# Altium PCB HIVE_BOARD - 10x10.PcbDoc (part 3 of 4)
Units mm, origin at the board's own origin, x right, y up, seen from the top; angles counter-clockwise.
Board outline 100 x 100 mm, 8 copper layers (Top, GND_1, Signal_1, GND_2, PWR, Signal_2, GND_3, Bottom), stack 1.6 mm thick; 627 components, 452 nets, 2398 pads, 70 vias.
Unrouted connection lines stored in the file: 1823.
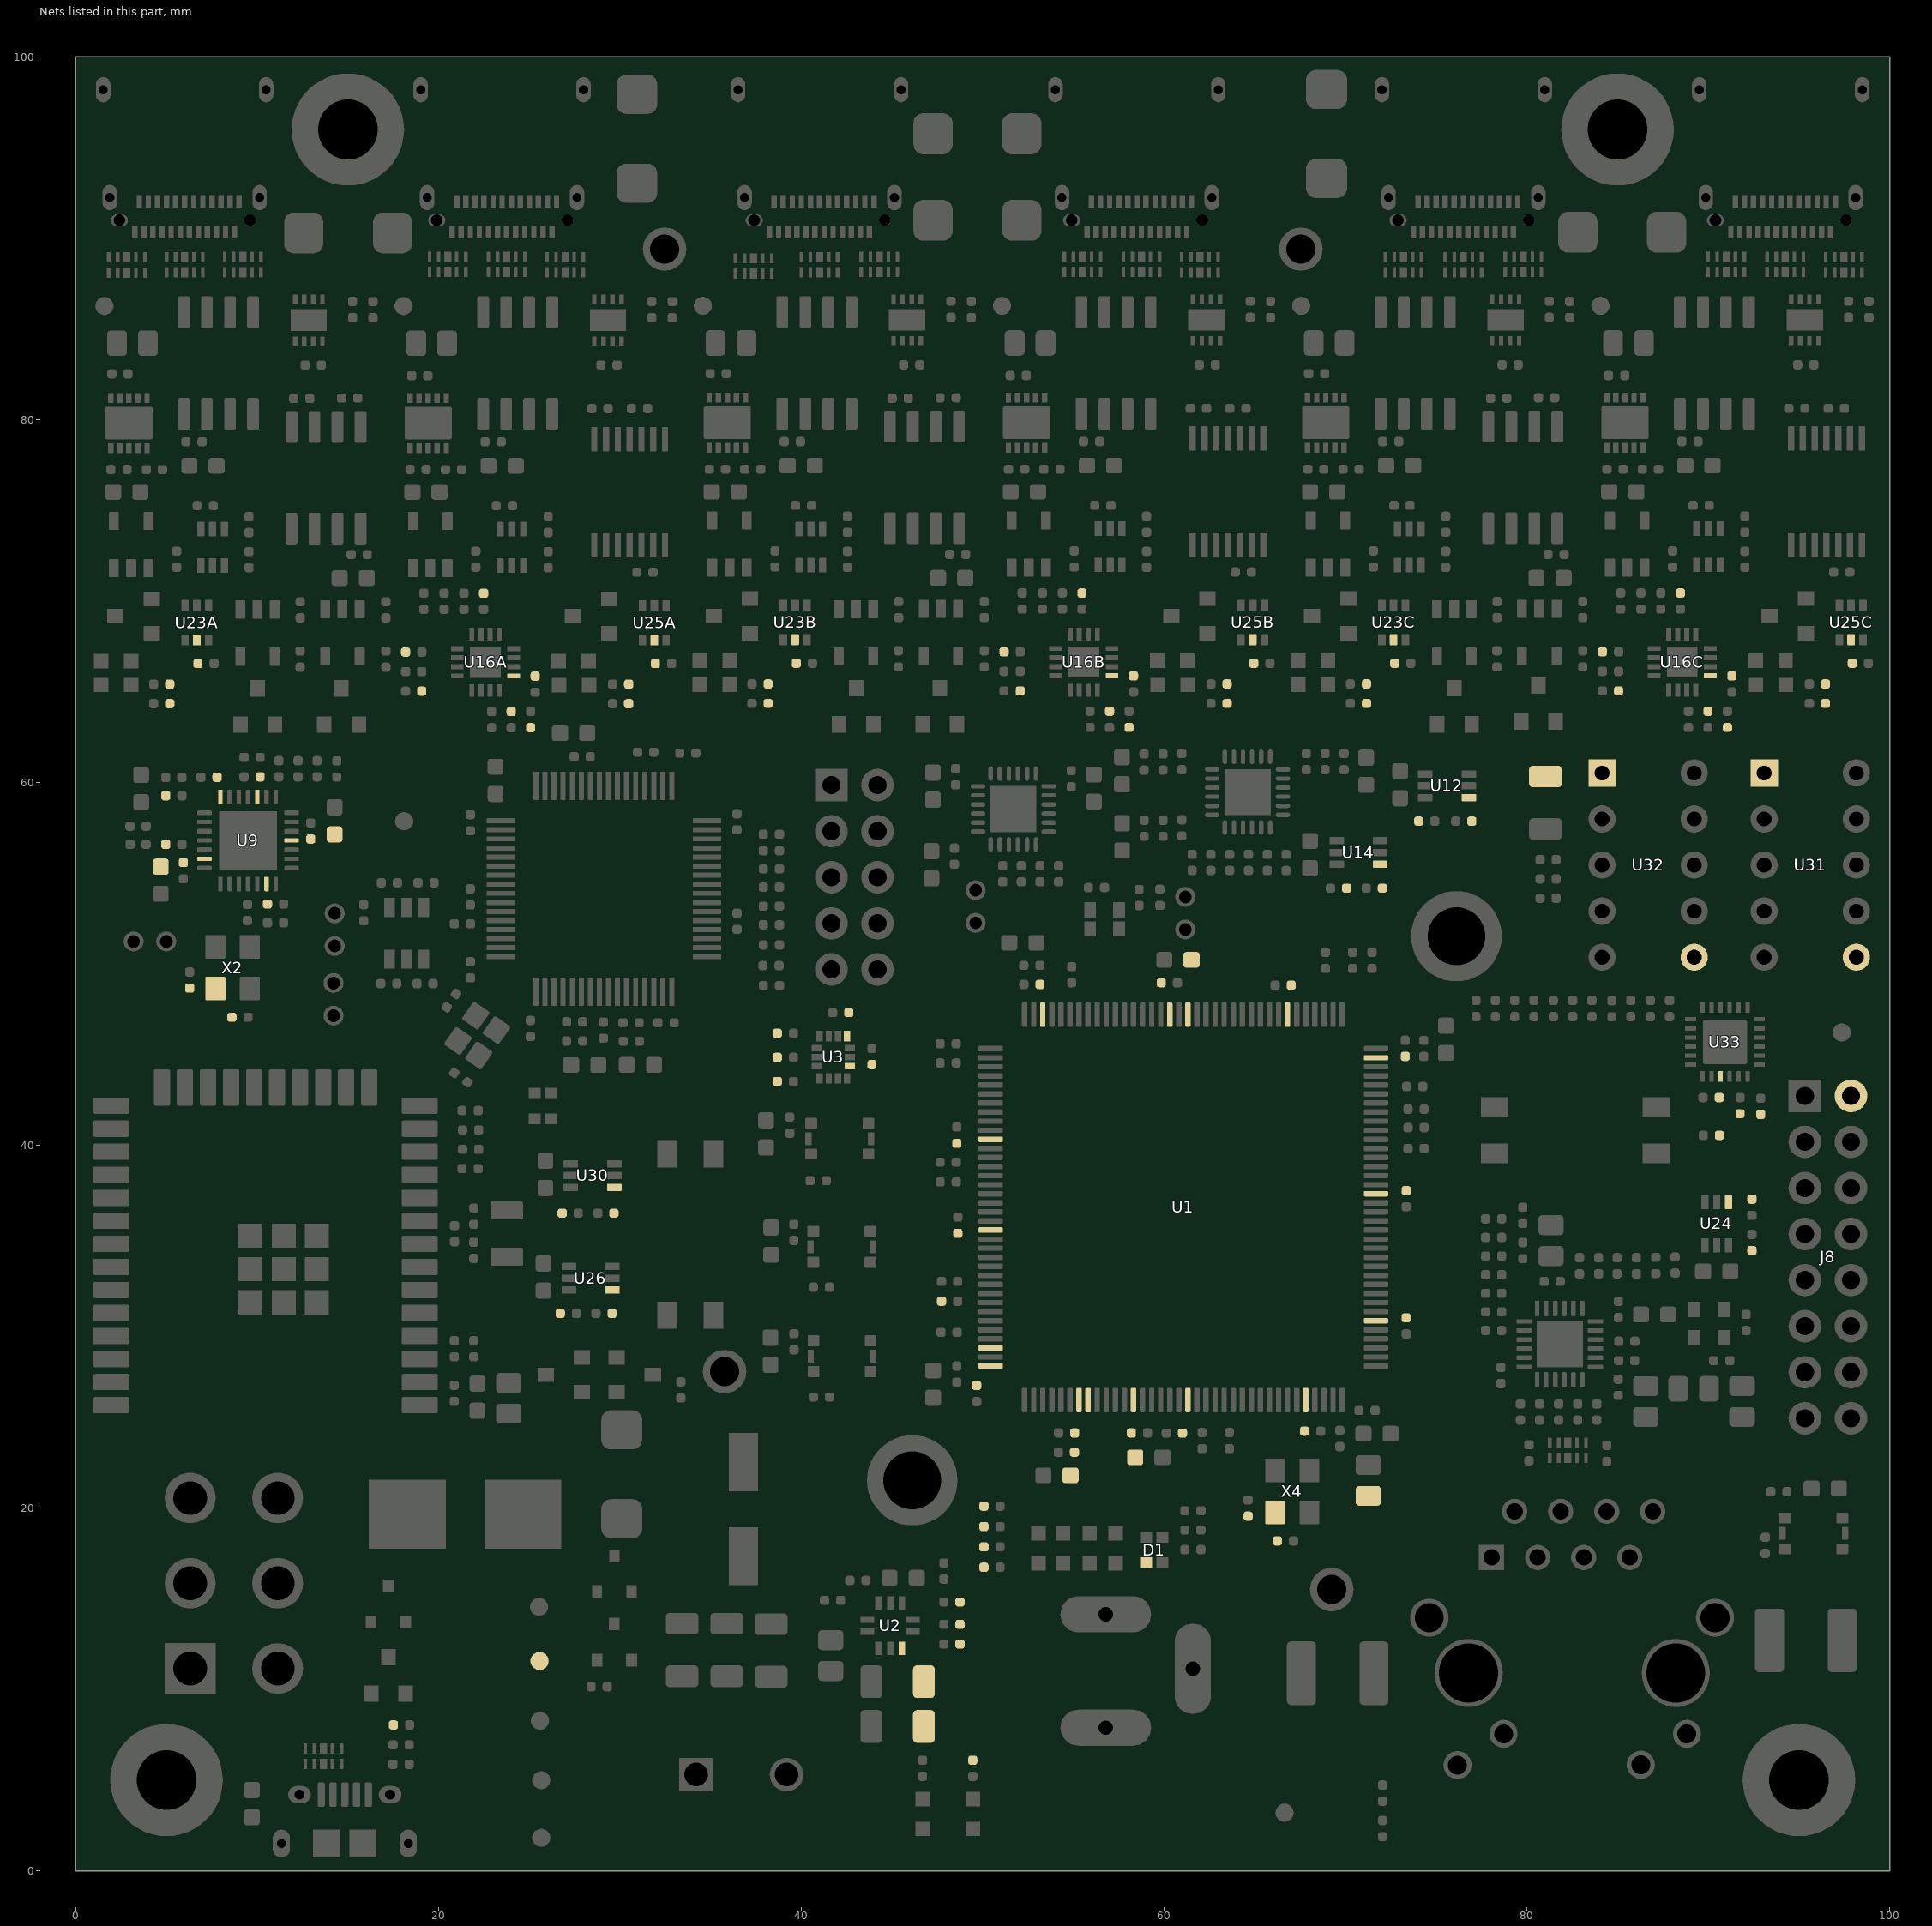
[diagram p7: the nets of this part, all layers, seen from the top]

## Footprints (in the part's own frame and the unit in brackets; to place one, negate y for a bottom-side part, rotate by r counter-clockwise, add the part's x,y. Pads: shape width x height; smd on the part's side, far side on the other; paste and mask are expansions set on the pad) (continued)
MCU_STM32H735ZGT6 [mm] "TSQFP, 144-Leads, Body 20,00x20,00mm"
  rrect50% 1.35x0.3 smd paste-0.025 mask+0.048: 1(-10.625,8.75) 2(-10.625,8.25) 3(-10.625,7.75) 4(-10.625,7.25) 5(-10.625,6.75) 6(-10.625,6.25) 7(-10.625,5.75) 8(-10.625,5.25) 9(-10.625,4.75) 10(-10.625,4.25) 11(-10.625,3.75) 12(-10.625,3.25) 13(-10.625,2.75) 14(-10.625,2.25) 15(-10.625,1.75) 16(-10.625,1.25) 17(-10.625,0.75) 18(-10.625,0.25) 19(-10.625,-0.25) 21(-10.625,-1.25) 22(-10.625,-1.75) 23(-10.625,-2.25) 25(-10.625,-3.25) 26(-10.625,-3.75) 27(-10.625,-4.25) 28(-10.625,-4.75) 29(-10.625,-5.25) 30(-10.625,-5.75) 31(-10.625,-6.25) 32(-10.625,-6.75) 33(-10.625,-7.25) 34(-10.625,-7.75) 35(-10.625,-8.25) 36(-10.625,-8.75) 73(10.625,-8.75) 74(10.625,-8.25) 76(10.625,-7.25) 77(10.625,-6.75) 78(10.625,-6.25) 79(10.625,-5.75) 80(10.625,-5.25) 81(10.625,-4.75) 82(10.625,-4.25) 83(10.625,-3.75) 84(10.625,-3.25) 85(10.625,-2.75) 86(10.625,-2.25) 87(10.625,-1.75) 88(10.625,-1.25) 89(10.625,-0.75) 90(10.625,-0.25) 91(10.625,0.25) 92(10.625,0.75) 93(10.625,1.25) 94(10.625,1.75) 95(10.625,2.25) 96(10.625,2.75) 97(10.625,3.25) 98(10.625,3.75) 99(10.625,4.25) 100(10.625,4.75) 101(10.625,5.25) 102(10.625,5.75) 103(10.625,6.25) 104(10.625,6.75) 105(10.625,7.25) 106(10.625,7.75) 107(10.625,8.25) 108(10.625,8.75)
  rrect50% 1.35x0.3 smd: 20(-10.625,-0.75) 24(-10.625,-2.75) 75(10.625,-7.75)
  rrect50% 0.3x1.35 smd: 37(-8.75,-10.625) 39(-7.75,-10.625) 40(-7.25,-10.625) 41(-6.75,-10.625) 43(-5.75,-10.625) 44(-5.25,-10.625) 45(-4.75,-10.625) 47(-3.75,-10.625) 48(-3.25,-10.625) 49(-2.75,-10.625) 50(-2.25,-10.625) 51(-1.75,-10.625) 52(-1.25,-10.625) 53(-0.75,-10.625) 54(-0.25,-10.625) 55(0.25,-10.625) 56(0.75,-10.625) 57(1.25,-10.625) 58(1.75,-10.625) 59(2.25,-10.625) 60(2.75,-10.625) 61(3.25,-10.625) 62(3.75,-10.625) 66(5.75,-10.625) 123(1.75,10.625) 124(1.25,10.625) 126(0.25,10.625) 127(-0.25,10.625) 128(-0.75,10.625) 129(-1.25,10.625) 130(-1.75,10.625) 131(-2.25,10.625) 132(-2.75,10.625) 133(-3.25,10.625) 134(-3.75,10.625) 135(-4.25,10.625) 136(-4.75,10.625) 137(-5.25,10.625) 138(-5.75,10.625) 140(-6.75,10.625) 141(-7.25,10.625) 142(-7.75,10.625) 144(-8.75,10.625)
  rrect50% 0.3x1.35 smd paste-0.025 mask+0.048: 38(-8.25,-10.625) 42(-6.25,-10.625) 46(-4.25,-10.625) 63(4.25,-10.625) 64(4.75,-10.625) 65(5.25,-10.625) 67(6.25,-10.625) 68(6.75,-10.625) 69(7.25,-10.625) 70(7.75,-10.625) 71(8.25,-10.625) 72(8.75,-10.625) 109(8.75,10.625) 110(8.25,10.625) 111(7.75,10.625) 112(7.25,10.625) 113(6.75,10.625) 114(6.25,10.625) 115(5.75,10.625) 116(5.25,10.625) 117(4.75,10.625) 118(4.25,10.625) 119(3.75,10.625) 120(3.25,10.625) 121(2.75,10.625) 122(2.25,10.625) 125(0.75,10.625) 139(-6.25,10.625) 143(-8.25,10.625)
  silkscreen extent -10.85,-9.6 9.6,9.6, body extent -11,-11 11,11, height 1.6
MEM_EEPROM_93LC46AT-E/OT [mm] "SOT23-6 for EEPROM"
  rect 1.05x0.6 smd: 1(-1.425,0.95) 2(-1.425,0) 3(-1.425,-0.95) 4(1.425,-0.95) 5(1.425,0) 6(1.425,0.95)
  silkscreen extent -1.55,-1.55 0.5,1.92, body extent -1.6,-1.55 1.6,1.55, height 1.45
MTH_M3#1 [mm] "Mounting Hole Metric M3"
  round 6.2 hole 3.3 paste-7.62 mask+0.07: 1(0,0)
MTH_M3#2 [mm] "Mounting Hole Metric M3"
  round 6.2 hole 3.3: 1(0,0)
OSC_CRY_ASDM1-25.000MHZ-LC-T [mm] "4-SMD, No Lead"
  rect 0.65x0.85 smd: 1(-0.825,-0.775) 2(0.825,-0.775) 3(0.825,0.775) 4(-0.825,0.775)
  silkscreen extent -1.25,-1.58 1.25,1, body extent -1.25,-1 1.25,1, height 0.85
"OSC_O 24,0-JO32-B-1V3-1-T1-LF"#1 [mm] "4-SMD, No Lead"
  rrect10% 1.3x1.1 smd: 1(-1.15,-0.95) 2(1.15,-0.95) 3(1.15,0.95) 4(-1.15,0.95)
  silkscreen extent -1.89,-1.95 1.73,1.37, body extent -1.6,-1.24 1.6,1.24, height 1.05
"OSC_O 24,0-JO32-B-1V3-1-T1-LF"#2 [mm] "4-SMD, No Lead"
  rrect10% 1.3x1.1 smd paste-0.05 mask+0.05: 1(-1.15,-0.95) 2(1.15,-0.95) 3(1.15,0.95) 4(-1.15,0.95)
  silkscreen extent -1.89,-1.95 1.73,1.37, body extent -1.6,-1.24 1.6,1.24, height 1.05
"OSC_O 38,40-JT21G-E-M-3,3-LF" [mm]
  rrect10% 0.85x0.65 smd: 1(-0.525,0.8) 2(-0.525,-0.8) 3(0.525,-0.8) 4(0.525,0.8)
  silkscreen extent -1.09,-0.3 0.85,0.34, body extent -0.8,-1 0.8,1, height 0.7
POW_MIC94072YC6-TR [mm] "SOT23, 6-Leads, Body 2.00x2.10mm, Pitch 0.65mm, IPC Medium Density"
  rrect20% 0.8x0.4 smd paste-0.025 mask+0.07: 1(-1.2,0.65) 2(-1.2,0) 3(-1.2,-0.65) 4(1.2,-0.65) 5(1.2,0) 6(1.2,0.65)
  silkscreen extent -1.48,-1.17 0.3,1.36, body extent -1.3,-1.1 1.3,1.1, height 1.1
POW_NIS6150MT1TXG#1 [mm] "SON, 10-Leads, Body 3.00x3.00mm, Pitch 0.50mm, Thermal Pad 2.00x1.20mm, IPC Medium Density"
  rrect20% 0.54x0.3 smd: 1(-1.385,1) 2(-1.385,0.5) 3(-1.385,0) 4(-1.385,-0.5) 5(-1.385,-1) 6(1.385,-1) 7(1.385,-0.5) 8(1.385,0) 9(1.385,0.5) 10(1.385,1)
  rrect10% 1.8x2.6 smd: 11(0,0)
  silkscreen extent -1.9,-1.64 1.63,1.64, body extent -1.55,-1.55 1.55,1.55, height 0.8
POW_NIS6150MT1TXG#2 [mm] "SON, 10-Leads, Body 3.00x3.00mm, Pitch 0.50mm, Thermal Pad 2.00x1.20mm, IPC Medium Density"
  rrect20% 0.54x0.3 smd paste-0.025 mask+0.048: 1(-1.385,1) 2(-1.385,0.5) 3(-1.385,0) 4(-1.385,-0.5) 5(-1.385,-1) 6(1.385,-1) 7(1.385,-0.5) 8(1.385,0) 9(1.385,0.5) 10(1.385,1)
  rrect10% 1.8x2.6 smd paste-2 mask+0.05: 11(0,0)
  silkscreen extent -1.9,-1.64 1.63,1.64, body extent -1.55,-1.55 1.55,1.55, height 0.8
REG_SWR_RPL-3.0-CT [mm]
  rect 0.75x0.35 smd: 1(-1.25,0.325) 2(-1.25,-0.325) 6(1.25,-0.325) 7(1.25,0.325)
  rect 0.35x0.75 smd: 3(-0.65,-1.25) 4(0,-1.25) 5(0.65,-1.25) 8(0.65,1.25) 9(0,1.25) 10(-0.65,1.25)
  silkscreen extent -1.94,-1.62 1.63,1.63, body extent -1.55,-1.55 1.55,1.55, height 1.5
RES_0402#1 [mil] "Resistor - 0402"
  rrect60% 20x20 smd paste+0 mask+1.97: 1(-17.5,0) 2(17.5,0)
  silkscreen extent -33,-17 33,17, body extent -20,-10 20,10, height 13
RES_0402#2 [mil] "Resistor - 0402"
  rrect60% 20x20 smd: 1(-17.5,0) 2(17.5,0)
  silkscreen extent -34,-17 34,17, body extent -20,-10 20,10, height 13
RES_0603 [mil] "Resistor - 0603"
  rrect35% 35x34 smd: 1(-29.5,0) 2(29.5,0)
  silkscreen extent -54,-24 54,24, body extent -31,-16 32,16, height 17
SEN_IMU_LSM6DSMTR [mm]
  rect 0.575x0.35 smd paste-0.025 mask+0.025: 1(1.162,-0.75) 2(1.162,-0.25) 3(1.162,0.25) 4(1.162,0.75) 8(-1.163,0.75) 9(-1.163,0.25) 10(-1.163,-0.25) 11(-1.163,-0.75)
  rect 0.35x0.575 smd paste-0.025 mask+0.025: 5(0.5,0.913) 6(0,0.913) 7(-0.5,0.913) 12(-0.5,-0.913) 13(0,-0.913) 14(0.5,-0.913)
  silkscreen extent -1.55,-1.27 1.85,1.28, body extent -1.5,-1.25 1.5,1.25, height 0.86
SWI_500SDP1S1M2QEA [mm]
  rect 2.8x2.8 hole 1.85: 1(-4.7,2.415)
  round 2.8 hole 1.85: 2(0,2.415) 3(4.7,2.415) 4(-4.7,-2.415) 5(0,-2.415) 6(4.7,-2.415)
  silkscreen extent -6.45,-5.82 6.45,6.35, body extent -6.35,-5.71 6.35,5.72, height 14.2
SWI_A6S-2104-H [mm] "SOP, 4-Leads, Body 6,02x6,20mm, Pitch 2,54mm, IPC Medium Density"
  rect 1.5x1.1 smd paste-0.025 mask+0.07: 1(-4.45,1.27) 2(-4.45,-1.27) 3(4.45,-1.27) 4(4.45,1.27)
  silkscreen extent -4.55,-3.1 3.3,3.1, body extent -4.9,-4.06 4.9,3.1, height 3.7
SWI_TACT_435171014816#1 [mm]
  rrect20% 0.65x0.6 smd: 1(-1.575,0.85) 2(1.575,0.85) 3(-1.575,-0.85) 4(1.575,-0.85)
  rrect20% 0.35x0.7 smd: 5(-1.725,0) 6(1.725,0)
  silkscreen extent -1.73,-1.55 1.73,1.55, body extent -1.65,-1.45 1.65,1.45, height 1.4
SWI_TACT_435171014816#2 [mm]
  rrect20% 0.65x0.6 smd paste+0 mask+0.05: 1(-1.575,0.85) 2(1.575,0.85) 3(-1.575,-0.85) 4(1.575,-0.85)
  rrect20% 0.35x0.7 smd paste+0 mask+0.05: 5(-1.725,0) 6(1.725,0)
  silkscreen extent -1.73,-1.55 1.73,1.55, body extent -1.65,-1.45 1.65,1.45, height 1.4
THE_HS_ATS-CPX025025015-138-C2-R0 [mm] "25x25x15mm Heatsink"
  round 5 hole 3.175: 1(-15,-15) 2(15,15)
  body extent -18.99,-18.99 18.99,18.99, height 15
TIM_FAN_SI53342-B-GM#1 [mm] "QFN24"
  oval 0.8x0.25 smd: 1(-1.95,1.25) 2(-1.95,0.75) 3(-1.95,0.25) 4(-1.95,-0.25) 5(-1.95,-0.75) 6(-1.95,-1.25) 13(1.95,-1.25) 14(1.95,-0.75) 15(1.95,-0.25) 16(1.95,0.25) 17(1.95,0.75) 18(1.95,1.25)
  oval 0.25x0.8 smd: 7(-1.25,-1.95) 8(-0.75,-1.95) 9(-0.25,-1.95) 10(0.25,-1.95) 11(0.75,-1.95) 12(1.25,-1.95) 19(1.25,1.95) 20(0.75,1.95) 21(0.25,1.95) 22(-0.25,1.95) 23(-0.75,1.95) 24(-1.25,1.95)
  rect 2.55x2.55 smd: 25(0,0)
  silkscreen extent -2.97,-2.2 2.2,2.2, body extent -2.05,-2.05 2.05,2.05, height 0.9
TIM_FAN_SI53342-B-GM#2 [mm] "QFN24"
  oval 0.8x0.25 smd paste+0 mask+0.07: 1(-1.95,1.25) 2(-1.95,0.75) 3(-1.95,0.25) 4(-1.95,-0.25) 5(-1.95,-0.75) 6(-1.95,-1.25)
  oval 0.25x0.8 smd: 7(-1.25,-1.95) 8(-0.75,-1.95) 9(-0.25,-1.95) 10(0.25,-1.95) 11(0.75,-1.95) 12(1.25,-1.95)
  oval 0.8x0.25 smd: 13(1.95,-1.25) 14(1.95,-0.75) 15(1.95,-0.25) 16(1.95,0.25) 17(1.95,0.75) 18(1.95,1.25)
  oval 0.25x0.8 smd paste+0 mask+0.07: 19(1.25,1.95) 20(0.75,1.95) 21(0.25,1.95) 22(-0.25,1.95) 23(-0.75,1.95) 24(-1.25,1.95)
  rect 2.55x2.55 smd paste-2.55 mask+0.05: 25(0,0)
  silkscreen extent -2.97,-2.2 2.2,2.2, body extent -2.05,-2.05 2.05,2.05, height 0.9
TPO_5011 [mm]
  round 2.4 hole 1.6: 1(0,0)
  silkscreen extent -1.67,-1.68 1.68,1.68, body extent -1.59,-1.59 1.59,1.59, height 8.13
TPO_SMD_ROUND_1MM#1 [mm] "Test Point - SMD ROUND PAD ONLY"
  round 1 smd paste-2 mask+0.07: 1(0,0)
  silkscreen extent -0.7,-0.7 0.7,0.7, body extent -0.4,-0.4 0.4,0.4
TPO_SMD_ROUND_1MM#2 [mm] "Test Point - SMD ROUND PAD ONLY"
  round 1 smd: 1(0,0)
  silkscreen extent -0.7,-0.7 0.7,0.7, body extent -0.4,-0.4 0.4,0.4
TPO_TH_ROUND_0.7mm_DOUBLE [mm] "Double via TP"
  round 1.1 hole 0.7 mask+0.07: 1(-0.9,0) 2(0.9,0)
  silkscreen extent -1.7,-0.8 1.7,0.8
TRX_NMOS_BSS138LT1G#1 [mm] "SOT23, 3-Leads, Body 2,92x2,37mm, Pitch 0,85mm, IPC Medium Density"
  rect 0.9x0.8 smd paste-0.025 mask+0.07: 1(-1,0.95) 2(-1,-0.95) 3(1,0)
  silkscreen extent -0.3,-1.6 0.8,1.6, body extent -1.32,-1.52 1.32,1.52, height 1.11
TRX_NMOS_BSS138LT1G#2 [mm] "SOT23, 3-Leads, Body 2,92x2,37mm, Pitch 0,85mm, IPC Medium Density"
  rect 0.9x0.8 smd: 1(-1,0.95) 2(-1,-0.95) 3(1,0)
  silkscreen extent -0.3,-1.6 0.8,1.6, body extent -1.32,-1.52 1.32,1.52, height 1.11
TRX_PMOS_SI2369DS-T1-GE3 [mm]
  rect 0.724x0.559 smd: 1(-0.984,0.95) 2(-0.984,-0.95) 3(0.984,0)
  silkscreen extent -1.11,-1.63 0.81,1.9, body extent -1.32,-1.52 1.32,1.52, height 1.12
TVS_DATA_DT1140-04LP-7 [mm] "SON, 10-Leads, Body 2,51x1,01mm, Pitch 0,50mm, IPC Medium Density"
  rrect30% 0.565x0.2 smd: 1(-0.417,1) 2(-0.417,0.5) 4(-0.417,-0.5) 5(-0.417,-1) 6(0.417,-1) 7(0.417,-0.5) 9(0.417,0.5) 10(0.417,1)
  rrect16% 0.565x0.4 smd: 3(-0.417,0) 8(0.417,0)
  silkscreen extent -0.95,-1.4 0.54,1.45, body extent -0.57,-1.29 0.57,1.29, height 0.61
TVS_PWR_SMBJ5.0CA [mm] "Molded Diode, 2-Leads, Body 4,40x3,62mm, IPC Medium Density"
  rrect50% 2.16x2.26 smd: 1(-2.45,0) 2(2.45,0)
  silkscreen extent -2.5,-2.1 2.5,2.1, body extent -2.6,-1.97 2.6,1.97, height 2.61
USB_USB2412-DZK [mm] "QFN 28(5x5)"
  rrect50% 0.8x0.25 smd: 1(-2.4,1.524) 2(-2.4,1.016) 3(-2.4,0.508) 4(-2.4,0) 5(-2.4,-0.508) 6(-2.4,-1.016) 7(-2.4,-1.524) 15(2.4,-1.524) 16(2.4,-1.016) 17(2.4,-0.508) 18(2.4,0) 19(2.4,0.508) 20(2.4,1.016) 21(2.4,1.524)
  rrect50% 0.25x0.8 smd: 8(-1.524,-2.4) 9(-1.016,-2.4) 10(-0.508,-2.4) 11(0,-2.4) 12(0.508,-2.4) 13(1.016,-2.4) 14(1.524,-2.4) 22(1.524,2.4) 23(1.016,2.4) 24(0.508,2.4) 25(0,2.4) 26(-0.508,2.4) 27(-1.016,2.4) 28(-1.524,2.4)
  rect 3.2x3.2 smd: 29(0,0)
  silkscreen extent -2.6,-2.6 2.6,2.6, body extent -2.55,-2.55 2.55,2.55, height 1.4

## Part data
C1 C2 C3 C5 C7 C8 C9 C10 C12 C13 C14 C15 C16 C17 C18 C19 C23 C24 C25 C27 C34 C39 C40 C42 C43 C44 C45 C46 C47 C48 C49 C51 C53 C55 C57 C58 C64 C69 C70 C71 C72 C77 C78 C79 C80 C82 C84 C94 C95 C96 C97 C104 C106 C110A C110B C110C C113A C113B C113C C117A C117B C117C C120A C120B C120C C124A C124B C124C C128A C128B C128C C129 C130 C133A C133B C133C C135 C136 C140A C140B C140C C142: library part CAP_CER_CGA2B3X7R1E104K050BB, "CAP - CER 0.1µF 10% 25V X7R - 0402", Manufacturer #1="TDK Corporation", Package=0402, Supplier Part Number 1=445-6902-1-ND, Temperature="-55°C ~ 125°C", Tolerance=10%, Voltage Rating=25V, Assembly Type=SMD, CreatedBy/Date="Nicolas Roy 2018-11-07", Cryo=UNKNOWN, GRAMS Lib Spec=2.8, HelpURL=https://product.tdk.com/info/en/catalog/datasheets/mlcc_automotive_general_en.pdf, Magnetic Material=Unknown, Part Number #1=CGA2B3X7R1E104K050BB, Polarized=NO, Supplier 1=Digi-Key, VerifiedBy="Nicolas V. (2019-01-22)"
C4 C6 C30 C37 C38 C54 C63 C68 C86 C87 C90 C91 C100 C105 C107 C131 C132 C143: library part CAP_CER_C0603C105K8PACTU, "CAP - CER 1uF 10V 10% X5R - 0603", Manufacturer #1=KEMET, Package=0603, Supplier Part Number 1=399-3118-1-ND, Temperature="-55°C ~ 85°C", Tolerance=10%, Voltage Rating=10V, Assembly Type=SMD, CreatedBy/Date="Hubert Dube - 21/07/20", Cryo=UNKNOWN, GRAMS Lib Spec=2.8, HelpURL=https://content.kemet.com/datasheets/KEM_C1006_X5R_SMD.pdf, Magnetic Material=Unknown, Part Number #1=C0603C105K8PACTU, Polarized=NO, Supplier 1=Digi-Key, VerifiedBy="Louis-Daniel Gaulin - 21/07/20"
C11 C20 C21 C22 C123: library part CAP_CER_CL10A475MA8NQNC, "CAP - CER 4.7µF 20% 25V X5R - 0603", Manufacturer #1="Samsung Electro-Mechanics", Package=0603, Supplier Part Number 1=1276-1903-1-ND, Temperature="-55°C ~ 85°C", Tolerance=20%, Voltage Rating=25V, Assembly Type=SMD, CreatedBy/Date="Nicolas Roy 2018-11-21", Cryo=UNKNOWN, GRAMS Lib Spec=2.8, HelpURL=http://www.samsungsem.com/kr/support/product-search/mlcc/__icsFiles/afieldfile/2018/06/20/CL10A475MA8NQNC.pdf, Magnetic Material=Unknown, Part Number #1=CL10A475MA8NQNC, Polarized=NO, Supplier 1=Digi-Key, VerifiedBy="Nicolas V. (2019-01-22)"
C26: library part CAP_CER_CL05C390JB51PNC, "CAP - CER 39 pF 5% 50V COG/NP0 - 0402", Manufacturer #1="Samsung Electro-Mechanics", Package=0402, Supplier Part Number 1=1276-6863-1-ND, Temperature="-55°C ~ 125°C", Tolerance=5%, Voltage Rating=50V, Assembly Type=SMD, CreatedBy/Date="Louis-Daniel Gaulin / 11-04-2021", Cryo=UNKNOWN, GRAMS Lib Spec=2.8, HelpURL=https://www.samsungsem.com/resources/file/global/support/product_catalog/MLCC.pdf, Magnetic Material=Unknown, Part Number #1=CL05C390JB51PNC, Polarized=NO, Supplier 1=Digi-Key, VerifiedBy="Philippe Arsenault/2021-04-14"
C28 C29 C31: library part CAP_CER_C1005X5R1V225K050BC, "CAP - CER 2.2µF 10% 35V X5R - 0402", Manufacturer #1="TDK Corporation", Package=0402, Supplier Part Number 1=445-9028-1-ND, Temperature="-55°C ~ 85°C", Tolerance=10%, Voltage Rating=35V, Assembly Type=SMD, CreatedBy/Date="Nicolas Roy 2018-10-17", Cryo=UNKNOWN, GRAMS Lib Spec=2.8, HelpURL=https://product.tdk.com/info/en/catalog/datasheets/mlcc_commercial_general_en.pdf, Magnetic Material=Unknown, Part Number #1=C1005X5R1V225K050BC, Polarized=NO, Supplier 1=Digi-Key, VerifiedBy="Caroline Paulin - 18 janv 2018"
C32 C33 C36 C76 C85 C148: library part CAP_CER_CL31A226KAHNNNE, "CAP - CER 22uF 10% 25V X5R - 1206", Manufacturer #1="Samsung Electro-Mechanics", Package=1206, Part Number #2=1276-3047-1-ND, Temperature="-55°C ~ 85°C", Tolerance=10%, Voltage Rating=25V, Assembly Type=SMD, CreatedBy/Date="Philippe Arsenault/21 Janvier 2020", Cryo=UNKNOWN, GRAMS Lib Spec=2.8, HelpURL=http://www.samsungsem.com/global/support/product-search/mlcc/1207445_4880.html, Magnetic Material=Unknown, Part Number #1=CL31A226KAHNNNE, Polarized=NO, Supplier 1=Digi-Key, Supplier Part Number 1=1276-3047-1-ND, VerifiedBy="C.Paulin - 28/01/2020"
C35 C50 C52 C59 C62 C127A C127B C127C C141A C141B C141C: library part CAP_CER_LMK212BJ106KG-T, "CAP - CER 10UF 10% 10V X5R - 0805", Manufacturer #1="Taiyo Yuden", Package=0805, Supplier Part Number 1=587-1300-1-ND, Temperature="-55°C ~ 85°C", Tolerance=10%, Voltage Rating=10V, Assembly Type=SMD, CreatedBy/Date="Caroline Paulin / 25 juillet 2018", Cryo=UNKNOWN, GRAMS Lib Spec=2.8, HelpURL=https://www.yuden.co.jp/productdata/catalog/mlcc_all_e.pdf, Magnetic Material=Unknown, Part Number #1=LMK212BJ106KG-T, Polarized=NO, Supplier 1=Digi-Key, VerifiedBy="Nicolas V. (2019-01-22)"
C41 C111A C111B C111C C112 C114A C114B C114C C116 C121A C121B C121C C134 C137 C138 C139A C139B C139C C145A C145B C145C: library part CAP_CER_CL10A475KP8NNNC, "4.7µF ±10% 10V Ceramic Capacitor X5R 0603", Manufacturer #1="Samsung Electro-Mechanics", Package=0603, Supplier Part Number 1=1276-1044-1-ND, Temperature="-55°C ~ 85°C", Tolerance=10%, Voltage Rating=10V, Assembly Type=SMD, CreatedBy/Date="Hubert Dube - 25/02/2021", Cryo=UNKNOWN, GRAMS Lib Spec=2.8, HelpURL=https://www.samsungsem.com/resources/file/global/support/product_catalog/MLCC.pdf, Magnetic Material=Unknown, Part Number #1=CL10A475KP8NNNC, Polarized=No, Supplier 1=Digi-Key, VerifiedBy="Philippe Arsenault/2021-03-14"
C56: library part CAP_CER_CC0402KRX7R9BB471, "CAP - CER 470pF 10% 50V X7R - 0402", Manufacturer #1=Yageo, Package=0402, Supplier Part Number 1=311-1028-1-ND, Temperature="-55°C ~ 125°C", Tolerance=10%, Voltage Rating=50V, Assembly Type=SMD, CreatedBy/Date="Nicolas Roy 2018-10-17", Cryo=UNKNOWN, GRAMS Lib Spec=2.8, HelpURL=http://www.yageo.com/documents/recent/UPY-GPHC_X7R_6.3V-to-50V_18.pdf, Magnetic Material=Unknown, Part Number #1=CC0402KRX7R9BB471, Polarized=NO, Supplier 1=Digi-Key, VerifiedBy="Caroline Paulin - 18 janv 2019"
C60 C61: library part CAP_CER_885342211009, "CAP - CER 1000pF ±10% 3000V X7R", Manufacturer #1="Würth Elektronik", Package=1812, Supplier Part Number 1=732-12109-1-ND, Temperature="-55°C ~ 125°C", Tolerance=10%, Voltage Rating=3kV, Assembly Type=SMD, CreatedBy/Date="Hubert Dube - 03/02/2021", Cryo=UNKNOWN, GRAMS Lib Spec=2.8, HelpURL=https://www.we-online.de/katalog/datasheet/885342211009.pdf, Magnetic Material=Unknown, Part Number #1=885342211009, Polarized=No, Supplier 1=Digi-Key, VerifiedBy="Philippe Asenault - 08-02-2021"
C65 C88 C89 C98 C99 C102 C103 C108A C108B C108C C125A C125B C125C: library part CAP_CER_GRM155R71E473KA88J, "CAP - CER 47nF 25V X7R - 0402", Manufacturer #1=MURATA, Package=0402, Supplier Part Number 1=490-6347-1-ND, Temperature="-55°C ~ 125°C", Tolerance=10%, Voltage Rating=25V, Assembly Type=SMD, CreatedBy/Date="P. Marcoux 2020-02-05", Cryo=UNKNOWN, GRAMS Lib Spec=2.8c, HelpURL=https://ds.murata.co.jp/simsurfing/mlcc.html?partnumbers=%5B%22GRM155R71E473KA88%22%5D&oripartnumbers=%5B%22GRM155R71E473KA88J%22%5D&rgear=jomoqke&rgearinfo=ca, Magnetic Material=Unknown, Part Number #1=GRM155R71E473KA88J, Polarized=No, Supplier 1=Digi-Key, VerifiedBy="C.Paulin - 22/04/2020"
C66 C67: library part CAP_CER_CC0402DRNPO9BN8R0, "CAP - CER 8PF 50V C0G/NP0 - 0402", Manufacturer #1=Yageo, Package=0402, Supplier Part Number 1=311-1639-1-ND, Temperature="-55°C ~ 125°C", Tolerance=±0.5pF, Voltage Rating=50V, Assembly Type=SMD, CreatedBy/Date="Hubert Dube - 04/10/20", Cryo=UNKNOWN, GRAMS Lib Spec=2.8, HelpURL=https://www.yageo.com/upload/media/product/productsearch/datasheet/mlcc/UPY-GP_NP0_16V-to-50V_18.pdf, Magnetic Material=Unknown, Part Number #1=CC0402DRNPO9BN8R0, Polarized=NO, Supplier 1=Digi-Key, VerifiedBy="Louis-Daniel Gaulin - 09/11/2020"